# Altium PCB HVAC_Segmented_LCD.PcbDoc (continued)
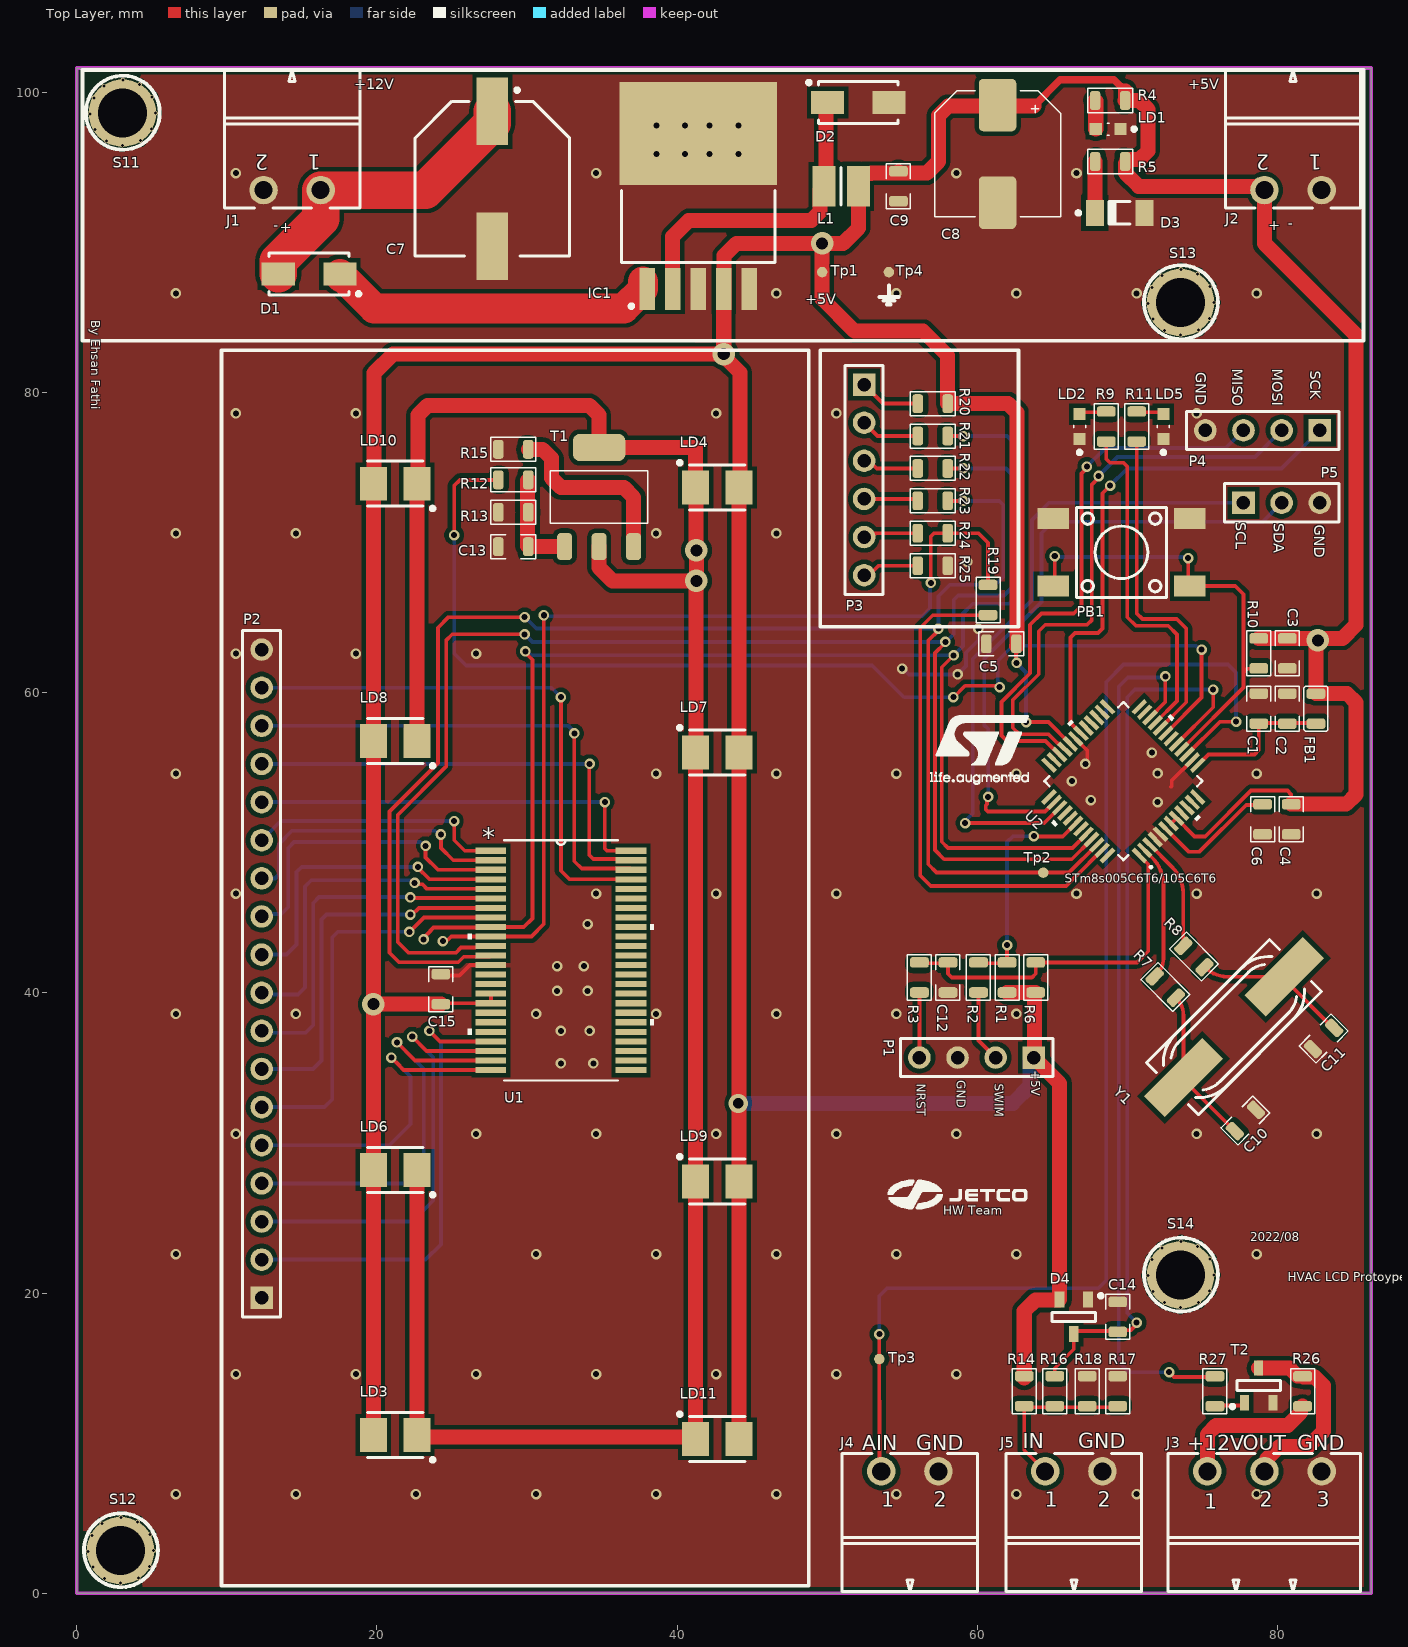
[diagram p0: Top Layer view]
## Footprints (in the part's own frame and the unit in brackets; to place one, negate y for a bottom-side part, rotate by r counter-clockwise, add the part's x,y. Pads: shape width x height; smd on the part's side, far side on the other; paste and mask are expansions set on the pad) (continued)
  silkscreen extent -5.43,-5.35 5.35,5.35, body extent -4.5,-4.5 4.5,4.5, height 1.6
PB_TYCO_FSM2JSMA [mm] "Body 6mm x 6mm, Surface Mount Tactile Switches, TYCO FSMJSMA Series"
  rect 1.4x2.1 smd: 1(-2.25,4.55) 2(-2.25,-4.55) 3(2.25,4.55) 4(2.25,-4.55)
  silkscreen extent -3,-3 3,3, body extent -3,-5 3,5, height 4.39
PCBComponent_1 [mm]
  round 4.5 / inner round 0.762 / far side round 0.762 hole 3.25: 0(2.159,0.051)
  silkscreen extent -0.28,-2.39 4.65,2.54
PHOENIX_1803277 [mm] "PHOENIX MC Serie, Pitch 3.81mm, 8A, 160V, 2 Positions Right Angled Header"
  round 1.9 hole 1.2: 1(-1.905,0) 2(1.905,0)
  silkscreen extent -4.51,-8 4.51,1.2, body extent -4.51,-8 4.5,1.3, height 7.25
PHOENIX_1803280 [mm] "PHOENIX MC Serie, Pitch 3.81mm, 8A, 160V, 3 Positions Right Angled Header"
  round 1.9 hole 1.2: 1(-3.81,0) 2(0,0) 3(3.81,0)
  silkscreen extent -6.41,-8 6.41,1.2, body extent -6.41,-8 6.41,1.3, height 7.25
"R 0805(2012)" [mm]
  rrect50% 0.7x1.25 smd: 1(-1,0) 2(1,0)
  silkscreen extent -1.5,-0.8 1.5,0.8, body extent -1,-0.62 1,0.63, height 0.6
SOT95P230X110-3N [mm] "SOT23, 3 pin, Pitch 0.95mm - 1.3mm W X 2.9mm L X 1.1mm H, IPC Medium Density"
  rect 1x0.6 smd: 1(-1.15,0.95) 2(-1.15,-0.95) 3(1.15,0)
  silkscreen extent -1.52,-1.45 0.33,1.87, body extent -1.08,-1.5 1.25,1.5, height 1.1
SOT95P240X110-3N [mm] "SOT23 3-Leads, Pitch 0.95mm, Body 1.3x2.9mm, IPC Medium Density"
  rect 1.05x0.65 smd: 1(-1.15,0.95) 2(-1.15,-0.95) 3(1.15,0)
  silkscreen extent -1.52,-1.45 0.3,1.92, body extent -1.25,-1.5 1.25,1.5, height 1.1
SOT223 [mm] "SOT-223/SC-73; 4 Leads; Body 6.7 x 7.3 mm, inc. leads (LxW max)"
  rrect50% 1x1.8 smd: 1(-2.3,-3.3) 2(0,-3.3) 3(2.3,-3.3)
  rrect50% 3.5x1.8 smd: 2(0,3.3)
  silkscreen extent -3.25,-1.75 3.25,1.75, body extent -3.25,-3.5 3.25,3.5, height 1.7
TO170P1435X465-6N-R1041X635 [mm] "TO-263, 5 Leads, 1.70mm pitch; TO, 14.35mm L X 8.64mm W X 4.65mm H body IPC Medium Density"
  rect 2.8x1.05 smd: 1(-6.2,3.4) 2(-6.2,1.7) 3(-6.2,0) 4(-6.2,-1.7) 5(-6.2,-3.4)
  rect 6.85x10.5 smd: 6(4.15,0)
  silkscreen extent -7.47,-5.1 0.35,5.1, body extent -7.11,-5.2 7.24,5.21, height 4.64
Tp-0.7 [mm]
  round 0.7 smd paste-0.2: 1(0,0)
XTAL1160X490X430 [mm] "HC49/4H SMX Case, SMD Cristal, Body 11.6x4.9mm"
  rect 5.5x2 smd: 1(-4.75,0) 2(4.75,0)
  silkscreen extent -5.8,-2.45 5.8,2.45, body extent -7.15,-2.45 7.15,2.45, height 4.3

## Part data
C1 C3 C4 C5 C6 C10 C11 C12 C15: library part "C 0805    16V X7R - 0*", "SMD 0805     16V X7R 10%", Manufacturer=Samsung, Package=0805, Package-mm=2012, TempCo=X7R, Temperature Range="-55°C ~ +125°C", Tolerance %=±10%, ComponentLink1Description="Datasheet Link", ComponentLink1URL=https://store.comet.bg/download-file.php?id=11, Mount Type=SMT, Published=07.04.2019, Publisher=Hefest, RoHS=Y, Supplier 1=Comet, Technology="Ceramic  MLCC", Type=Capacitors, VDC=16V
C2 C9 C13 C14: library part "C 0805    50V X7R - 1u", "SMD 0805     50V X7R 10%", Manufacturer=Samsung, Package=0805, Package-mm=2012, Part Number=CL21B105KBFNNNE, Supplier Part Number 1="C0805 1.0uF 50V X7R SAMSUNG", TempCo=X7R, Temperature Range="-55°C ~ +125°C", Tolerance %=±10%, ComponentLink1Description="Datasheet Link", ComponentLink1URL=https://store.comet.bg/download-file.php?id=11, Mount Type=SMT, Price=0.17, Published=07.04.2019, Publisher=Hefest, RoHS=Y, Supplier 1=Comet, Technology="Ceramic  MLCC", Type=Capacitors, VDC=50V
C7: library part CAE1030-1020_220UF_50V_20%, "Polarised capacitor", Case=G, Manufacturer=PANASONIC, Manufacturer Part Number=EEEFK1H221P, Tolerance=±20%, Voltage=50V, Author="CERN DEM JLC", Component Type=Standard, ComponentHeight=10.2mm, CreateDate=10/3/2017, HelpURL=\\cern.ch\dfs\Applications\Altium\Datasheets\CAE_PANASONIC_FK.pdf, LatestRevisionDate=10/3/2017, Mounted=Yes, Part Description="Aluminum Electrolytic SMT Capacitor", Part Number=CAE1030-1020_220UF_50V_20%, Pin Count=2, Sense=No, SMD=Yes, Socket=No, Status="Not Recommended"
C8: library part "EL D   8mm h10.5mm", "SMD D   8mm h10.5mm", Manufacturer=Fujicon, Package="D8mm h10.5mm", Temperature Range="-40°C ~ +105°C", Tolerance %=±20%, ComponentLink1Description="Datasheet Link", ComponentLink1URL=https://store.comet.bg/download-file.php?id=10100, Load life="2000h @ +105°C", Mount Type=SMT, Published=07.04.2019, Publisher=Hefest, RoHS=Y, Supplier 1=Comet, Technology="Electrolytic Aluminum", Type=Capacitors
D1 D2: "Transient Voltage Suppressor Diode (Uni-Directional)", Case=DO-214AC, Manufacturer="VISHAY GENERAL SEMICONDUCTOR", Power=20.1A, Voltage=12V, Author="CERN DEM JLC", Bonding=No, Component Type=Standard, ComponentHeight=2.29mm, CreateDate=11/17/2008, Device=SMAJ12A, HelpURL=\\cern.ch\dfs\Applications\Altium\Datasheets\SMAJ12A.pdf, LatestRevisionDate=11/17/2008, Manufacturer Part Number=SMAJ12A, Mounted=Yes, PackageDescription="DO-214-AC Molded Diode, 2-Leads, Body 5.1x2.7mm, IPC Medium Density", Part Description="Surface Mount TRANSZORB® Uni-directional Transient Voltage Suppressors", Part Number=SMAJ12A, Pin Count=2, PressFit=No, Sense=No, SMD=Yes, Socket=No
D3: library part BAS86-M, "Zener 5.6V minimelf", Case=SOD-80, Manufacturer="VISHAY SEMICONDUCTORS", Power=200mA, Voltage=50V, Author="CERN DEM JLC", Bonding=No, Component Type=Standard, ComponentHeight=1.6mm, CreateDate=7/17/2017, Device=BAS86-M, HelpURL=\\cern.ch\dfs\Applications\Altium\Datasheets\BAS86-M.pdf, LatestRevisionDate=7/17/2017, Manufacturer Part Number=BAS86-M, Mounted=Yes, PackageDescription="SOD-80, MELF Diode, 2-Leads, Body 3.5x1.5mm, IPC Medium Density", Part Description="Small Signal Schottky Diode", Part Number=BAS86-M, Pin Count=2, PressFit=No, Sense=No, SMD=Yes, Socket=No
D4: "Serial Diode", Case=SOT23-3, Manufacturer="DIODES INCORPORATED", Power=200mA, Voltage=40V, Author="CERN DEM JLC", Bonding=No, Component Type=Standard, ComponentHeight=1.1mm, CreateDate=7/7/2014, Device=BAS40-04-7-F, HelpURL=\\cern.ch\dfs\Applications\Altium\Datasheets\BAS40-04-7-F.pdf, LatestRevisionDate=7/7/2014, Manufacturer Part Number=BAS40-04-7-F, Mounted=Yes, PackageDescription="SOT, 0.95mm Pitch; 3 Pin, 1.30mm W X 2.90mm L X 1.10mm H, IPC Medium Density", Part Description="Dual Series Surface Mount Schottky Barrier Diodes", Part Number=BAS40-04-7-F, Pin Count=3, PressFit=No, Sense=No, SMD=Yes, Socket=No
FB1: library part "FB BLM21P 330", "SMD 0805 1.5A 330Ω/90mΩ", DC Resistance=90mΩ, Manufacturer=Murata, Package=0805, Package-mm=2012, Part Number=BLM21PG331SN1D, Temperature Range="-55°C ~ +125°C", Tolerance %=±20%, ComponentLink1Description="Datasheet Link", ComponentLink1URL=https://store.comet.bg/download-file.php?id=1453, Imax=1.5A, Ind=0.525uH, Material=Ferrite, Mount Type=SMT, Price=0.032, Published=07.04.2019, Publisher=Hefest, RoHS=Y, Supplier 1=Comet, Supplier Part Number 1=BLM21PG331SN1D, Technology=Chip, Type="Ferrite Bead", ZTyp@100MHz=120Ω
IC1: "SIMPLE SWITCHER® Power Converter 150kHz, 3A Step-Down Voltage Regulator", Case=TO-263, Manufacturer="TEXAS INSTRUMENTS", Author="CERN DEM JLC", Bonding=No, Component Type=Standard, ComponentHeight=4.65mm, CreateDate=12/19/2018, Device=LM2596S-5.0/NOPB, HelpURL=\\cern.ch\dfs\Applications\Altium\Datasheets\LM2596S-5.0-NOPB.pdf, LatestRevisionDate=12/19/2018, Manufacturer Part Number=LM2596S-5.0/NOPB, Mounted=Yes, PackageDescription="TO-263, 5 Leads, 1.70mm pitch; TO, 14.35mm L X 8.64mm W X 4.65mm H body IPC Medium Density", Part Description="4.5V to 40V Input to 5V Output, SIMPLE SWITCHER® Power Converter 150kHz, 3A Step-Down Voltage Regulator", Part Number=LM2596S-5.0/NOPB, Pin Count=6, PressFit=No, Sense=No, SMD=Yes, Socket=No
J1 J2 J4 J5: library part PHOENIX_1803277, "Connector 2 Male", Manufacturer="PHOENIX CONTACT", Manufacturer Part Number="1803277 (MC 1,5/ 2-G-3,81)", Author="CERN DEM JLC", Component Type=Standard, ComponentHeight=7.25mm, CreateDate=5/6/2014, HelpURL=\\cern.ch\dfs\Applications\Altium\Datasheets\PHOENIX_1803277.pdf, LatestRevisionDate=5/6/2014, Mounted=Yes, Part Description="8A 160 V, Pitch: 3.81mm, 2 Positions  Right Angled Header", Part Number=PHOENIX_1803277, Pin Count=2, PressFit=No, Sense=No, SMD=No, Socket=No, Status=None
J3: library part PHOENIX_1803280, "Connector 3 Male", Manufacturer="PHOENIX CONTACT", Manufacturer Part Number="1803277 (MC 1,5/ 3-G-3,81)", Author="CERN DEM BC", Component Type=Standard, ComponentHeight=7.25mm, CreateDate=9/23/2019, HelpURL=\\cern.ch\dfs\Applications\Altium\Datasheets\PHOENIX_1803280.pdf, LatestRevisionDate=9/23/2019, Mounted=Yes, Part Description="8A 160 V, Pitch: 3.81mm, 3 Positions  Right Angled Header", Part Number=PHOENIX_1803280, Pin Count=3, PressFit=No, Sense=No, SMD=No, Socket=No, Status=None
L1: library part IND_220UH_10%_MURATA-PS_8200, "Inductor With Core", Manufacturer="MURATA POWER SOLUTIONS", Manufacturer Part Number=82224C, Power=100mA, Resistance=8R, Tolerance=±10%, Author="CERN DEM JMW", Component Type=Standard, ComponentHeight=2.3mm, CreateDate=10/7/2015, HelpURL=\\cern.ch\dfs\Applications\Altium\Datasheets\IND_MURATA-PS_8200.pdf, LatestRevisionDate=10/7/2015, Mounted=Yes, Part Description="Miniature Surface Mount Power Inductor (8200 Series)", Part Number=IND_220UH_10%_MURATA-PS_8200, Pin Count=2, Sense=No, SMD=Yes, Socket=No, Status=None
LD1 LD2 LD5: library part LED_ROHM_SML-D12U8WT86, "LED Red 1C 2A", Manufacturer=ROHM, Manufacturer Part Number=SML-D12U8WT86, Author="CERN DEM JLC", Bonding=No, Color=Red, Component Type=Standard, ComponentHeight=0.55mm, CreateDate=10/23/2017, HelpURL=\\cern.ch\dfs\Applications\Altium\Datasheets\LED_ROHM_SML-D12U8WT86.pdf, LatestRevisionDate=10/23/2017, Mounted=Yes, PackageDescription="Red Chip LED, 2-Leads, Body 1.6x0.8mm (0603), SML-D12x8 Series", Part Description="High Brightness and High Reliability Chip 0603(1608mm) Red LED SML-D12x8 Series", Part Number=LED_ROHM_SML-D12U8WT86, Pin Count=2, PressFit=No, Sense=No, SMD=Yes, Socket=No
LD3 LD4 LD6 LD7 LD8 LD9 LD10 LD11: library part LED_OSRAM_LYT676-R1S2-26, "LED Yellow 1C 2A", Manufacturer=OSRAM, Manufacturer Part Number="LY T676-R1S2-26", Author="CERN DEM JLC", Bonding=No, Color=Yellow, Component Type=Standard, ComponentHeight=1.2mm, CreateDate=5/14/2008, HelpURL=\\cern.ch\dfs\Applications\Altium\Datasheets\LED_OSRAM_LYT676-R1S2-26.pdf, LatestRevisionDate=3/17/2010, Mounted=Yes, PackageDescription="Molded LED, 2-Leads, Body 3.5x2.8mm, IPC Medium Density PCB Edge Mounting", Part Description="Hyper TOPLED® SMD Yellow LED", Part Number=LED_OSRAM_LYT676-R1S2-26, Pin Count=2, PressFit=No, Sense=No, SMD=Yes, Socket=No
P1 P4: "Header, 4-Pin", LatestRevisionDate=17-Jul-2002, LatestRevisionNote="Re-released for DXP Platform.", Publisher="Altium Limited"
P2: "Header, 18-Pin", LatestRevisionDate=17-Jul-2002, LatestRevisionNote="Re-released for DXP Platform.", Publisher="Altium Limited"
P3: "Header, 6-Pin", LatestRevisionDate=17-Jul-2002, LatestRevisionNote="Re-released for DXP Platform.", Publisher="Altium Limited"
P5: "Header, 3-Pin", LatestRevisionDate=17-Jul-2002, LatestRevisionNote="Re-released for DXP Platform.", Publisher="Altium Limited"
PB1: library part PB_TYCO_FSM2JSMA, "Push-Button Switch SPDT", Manufacturer="TYCO ELECTRONICS", Manufacturer Part Number="FSM2JSMA or  2-1437565-7", Author="CERN DEM JLC", Component Type=Standard, ComponentHeight=4.59mm, CreateDate=9/8/2008, Family="Push Button", HelpURL=\\cern.ch\dfs\Applications\Altium\Datasheets\PB_TYCO_FSM2JSMA.pdf, LatestRevisionDate=6/21/2012, Mounted=Yes, PackageDescription="Body 6mm x 6mm, Surface Mount Tactile Switches, TYCO ALCOSWITCH FSMJSMA Series", Part Description="12VDC 50mA SPST Tactile  Push-Button Switch", Part Number=PB_TYCO_FSM2JSMA, Pin Count=4, PressFit=No, Sense=No, SMD=Yes, Socket=No, Status=None
R1 R2 R3 R4 R5 R6 R7 R8 R9 R10 R11 R12 R13 R14 R15 R16 R17 R18 R19 R20 R21 R22 R23 R24 R25 R26 R27: library part "R 0805-5%", "SMD 0805 0.125W 5% 150V", Manufacturer=YAGEO, Package=0805, Package-mm=2012, Power=0.125W, Supplier Part Number 1="R0805 1.0K 5% YAG", TempCo=±100ppm/°C, Temperature Range="-55°C ~ +155°C", Tolerance %=±5%, Value Code=102, ComponentLink1Description="Datasheet Link", ComponentLink1URL=https://store.comet.bg/download-file.php?id=140, Mount Type=SMT, Price=0.029, Published=07.04.2019, Publisher=Hefest, RoHS=Y, Supplier 1=Comet, Technology="Thick film", Type=Resistor, VDC=150V
S11 S12 S13 S14: library part Screw
T1: "SOT89    80V 1A 180MHz   6pF", Manufacturer=ROHm, Package=SOT223, Part Number=BCP5610TA, Power=0.5W, Complementary=BCP53-10, ComponentLink1Description="Datasheet Link", ComponentLink1URL=https://store.comet.bg/download-file.php?id=15852, Ft=180MHz, h21e=63-160, Ic=1A, Mount Type=SMT, Price=0.20, Published=28.09.2019, Publisher=Hefest, RoHS=Y, Supplier 1=Comet, Supplier Part Number 1=BCP56-10, Technology=npn, Type=Transistors, Vce=80V
T2: "NPN Transistor", Case=SOT23-3, Manufacturer="NXP SEMICONDUCTORS", Author="CERN DEM JLC", Bonding=No, Component Type=Standard, ComponentHeight=1.1mm, CreateDate=5/12/2011, Device=BC817, HelpURL=\\cern.ch\dfs\Applications\Altium\Datasheets\BC817.pdf, LatestRevisionDate=5/12/2011, Manufacturer Part Number=BC817, Mounted=Yes, PackageDescription="SOT23, 3 pin, Pitch 0.95mm - 1.3mm W X 2.9mm L X 1.1mm H, IPC Medium Density", Part Description="45V 500mA NPN General-Purpose Transistor", Part Number=BC817, Pin Count=3, PressFit=No, Sense=No, SMD=Yes, Socket=No
Tp1 Tp2 Tp3 Tp4: "TestPoint", Mount Type=SMT, Package=TestPoint, Published=07.04.2019, Publisher=Hefest, Technology=PCB, Type=TestPoint
U1: library part DAC7634E, "No Description Available", Mfr_Name="Texas Instruments", Copyright="Copyright (C) 2022 Ultra Librarian. All rights reserved.", Manufacturer_Part_Number=DAC7634E, RefDes=RefDes, Type=DEV
U2: "No Description Available", Mfr_Name=STMicroelectronics, Copyright="Copyright (C) 2022 Ultra Librarian. All rights reserved.", Manufacturer_Part_Number=STM8S005C6T6, RefDes=RefDes, Type=Type
Y1: library part XTAL_10MHZ_IQD_LFXTAL003166, "Quartz Crystal", Manufacturer="IQD FREQUENCY PRODUCTS", Manufacturer Part Number="LF XTAL003166", Author="CERN DEM JLC", Bonding=No, Component Type=Standard, ComponentHeight=4.3mm, CreateDate=4/19/2012, HelpURL=\\cern.ch\dfs\Applications\Altium\Datasheets\XTAL_IQD_LFXTAL003166.pdf, LatestRevisionDate=11/7/2016, Mounted=Yes, PackageDescription="HC49/4H SMX Case, SMD Cristal, Body 11.6x4.9mm", Part Description="Tolerance:± 30ppm, Stability:± 50ppm, -10°C to +60°C, 16pF, Surface Mount Quartz Crystal, HC49/4HSMX Series", Part Number=XTAL_10MHZ_IQD_LFXTAL003166, Pin Count=2, PressFit=No, Sense=No, SMD=Yes, Socket=No

## Via types
v1: diameter 0.7, hole 0.4, Top Layer to Bottom Layer, tented both sides, 151 vias
v2: diameter 0.3, hole 0.2, Top Layer to Bottom Layer, tented both sides, 48 vias
v3: diameter 1.5, hole 0.8, Top Layer to Bottom Layer, tented both sides, 6 vias
v4: diameter 1.27, hole 0.711, Top Layer to Bottom Layer, tented both sides, 1 vias

## Nets (pads, with @x,y where several pads share a name; then routed paths per layer and width w, separated by ;. In a path a pad name is that pad's centre, name@x,y a point inside that pad or via, vN(x,y) a via of type N, cw(c..) or ccw(c..) an arc to the next point about the centre after c; other vN are vias at no path point)
+5V: C3.2 C4.2 C5.2 C8.1 C9.1 C15.2 D4.2 FB1.1 IC1.4 J2.2 L1.2 LD3.2 LD4.2 LD6.2 LD7.2 LD8.2 LD9.2 LD10.2 LD11.2 P1.1 R1.2 R4.2 R5.2 R6.2 R10.2 R14.2 R20.2 Tp1.1 U1.16 U1.17 U2.7 U2.8 U2.32 | length 399.9
  Top Layer w0.254: C15.2 24.314,39.3 27.584,39.3 U1.17 U1.16 ; C5.2 62.578,63.229 62.578,62.009 v1(62.611,61.976) ; v1(63.246,58.039) 64.725,58.039 U2.32 ; U2.7 U2.8 74.463,50.423 75.18,50.423 78.225,53.467 80.645,53.467 80.899,53.213 C4.2
  Top Layer w0.5: 63.754,99.06 65.532,100.838 69.088,100.838 69.85,100.076
  Top Layer w1: LD3.2 LD6.2 v3(19.759,39.243) ; C15.2 v3(19.759,39.243) ; LD11.2 LD9.2 LD7.2 LD4.2 44.196,73.734 44.196,81.308 43.102,82.402 v3(43.102,82.538) ; C9.1@54.737,94.599 52.945,94.599 52.922,94.576 52.332,94.576 52.072,94.316 L1.2 52.072,90.934 51.054,89.916 v3(49.657,89.916) ; C9.1 54.848,94.615 56.642,94.615 57.404,95.377 57.404,98.425 58.039,99.06 63.754,99.06 ; R1.2 R6.2 63.817,39.957 63.817,35.75 P1.1 65.471,33.97 D4.2 65.446,19.54 63.863,19.54 63.119,18.796 R14.2 R14.2@63.119,14.335 ; C5.2@62.611,63.103 62.627,63.119 62.627,78.662 62.041,79.248 R20.2 58.023,82.439 56.388,84.074 51.816,84.074 49.657,86.233 Tp1.1 v3(49.657,89.916) ; R5.2@69.85,95.252 69.85,94.615 70.739,93.726 78.623,93.726 78.877,93.472 J2.2 79.121,89.916 85.217,83.82 85.217,64.516 84.312,63.611 C3.2 R10.2 ; 69.85,100.076 69.85,99.457 R4.2 70.788,99.441 71.374,98.855 71.374,96.088 70.788,95.502 R5.2@69.959,95.502 ; C4.2 84.566,52.562 85.217,53.213 85.217,59.342 84.631,59.928 FB1.1 v3@82.55,63.476 ; v3(19.759,39.243) LD8.2 LD10.2 19.812,73.967 19.812,81.28 21.082,82.55 41.148,82.55 41.154,82.544 43.096,82.544 v3(43.102,82.538) ; v3(43.102,82.538) IC1.4 43.127,86.916 43.127,89.101 43.942,89.916 v3(49.657,89.916)
  Bottom Layer w0.254: v1(62.611,61.976) 63.246,61.341 v1(63.246,58.039)
  Bottom Layer w1: v4(44.069,32.639) 62.357,32.639 63.504,33.786 63.504,35.437 P1.1
  other v3: 82.677,63.476
+12: C7.1 D1.2 J1.1 | length 20.8
  Top Layer w2.5: D1.2 13.426,88.737 16.256,91.567 J1.1 23.224,93.472 27.686,97.934 C7.1
COM0: P2.2 U1.21 | length 31.3
  Top Layer w0.254: v1(23.495,37.465) 24.194,36.767 U1.21
  Bottom Layer w0.254: P2.2 23.241,22.225 24.257,23.241 24.257,36.703 v1(23.495,37.465)
COM1: P2.3 U1.22 | length 29.1
  Top Layer w0.254: v1(22.352,37.084) 23.304,36.131 U1.22
  Bottom Layer w0.254: P2.3 22.352,24.765 23.749,26.162 23.749,35.687 v1(22.352,37.084)
COM2: P2.4 U1.23 | length 27
  Top Layer w0.254: v1(21.336,36.703) 22.543,35.496 U1.23
  Bottom Layer w0.254: P2.4 21.971,27.305 23.114,28.448 23.114,34.925 v1(21.336,36.703)
COM3: P2.5 U1.24 | length 22.4
  Top Layer w0.254: v1(20.955,35.687) 21.492,35.15 21.492,35.143 21.774,34.861 U1.24
  Bottom Layer w0.254: P2.5 20.828,29.845 22.225,31.242 22.225,34.417 v1(20.955,35.687)
DIN_External: J5.1 R14.1 R16.1 R17.2 R18.2 | length 11.1
  Top Layer w0.25: J5.1 63.119,9.525 63.119,12.335 63.169,12.385 65.101,12.385 65.151,12.335 65.201,12.385 69.292,12.385 R17.2@69.342,12.335
GND: C1.2 C2.2 C3.1 C4.1 C5.1 C6.1 C7.2 C8.2 C9.2 C10.1 C11.1 C12.2 C13.2 C14.2 C15.1 D2.2 D3.2 D4.1 IC1.3 IC1.5 IC1.6 J1.2 J2.1 J3.3 J4.2 J5.2 LD1.1 LD2.1 LD5.1 P1.3 P2.1 P2.18 P4.4 P5.3 PB1.1 PB1.2 R13.2 R15.2 R17.1 R18.1 R25.2 T2.2 Tp4.1 U1.13 U2.4 U2.5 U2.14 U2.31 | length 15.2
  Top Layer w0.254: C15.1 24.352,41.148 25.489,41.148 26.187,41.846 U1.13 ; U2.31 67.31,56.161 v1@67.31,55.499 ; 72.898,53.721 72.945,53.768 72.945,54.142 U2.14
  Bottom Layer w0.254: v1(54.991,61.595) 55.058,61.595 55.439,61.214 v1(58.674,61.214) 59.236,61.776 59.236,62.658 60.066,63.488 v1(60.066,64.239)
  other v1: 6.6,6.6 14.6,6.6 22.6,6.6 30.6,6.6 38.6,6.6 46.6,6.6 54.6,6.6 62.6,6.6 70.6,6.6 78.6,6.6 10.6,14.6 18.6,14.6 26.6,14.6 34.6,14.6 42.6,14.6 50.6,14.6 58.6,14.6 6.6,22.6 30.6,22.6 38.6,22.6 46.6,22.6 54.6,22.6 62.6,22.6 78.6,22.6 10.6,30.6 26.6,30.6 34.6,30.6 42.6,30.6 50.6,30.6 58.6,30.6 74.6,30.6 82.6,30.6 32.258,35.306 34.417,35.306 32.258,37.465 34.163,37.465 6.6,38.6 14.6,38.6 30.6,38.6 38.6,38.6 46.6,38.6 54.6,38.6 62.6,38.6 32.004,40.132 34.036,40.132 32.004,41.783 33.782,41.783 34.036,44.577 10.6,46.6 34.6,46.6 42.6,46.6 50.6,46.6 66.6,46.6 74.6,46.6 82.6,46.6 72.009,52.705 67.564,52.832 66.294,54.102 6.6,54.6 38.6,54.6 46.6,54.6 54.6,54.6 62.6,54.6 72.009,54.61 78.6,54.6 67.183,55.245 71.628,56.007 10.6,62.6 18.6,62.6 26.6,62.6 59.309,68.707 6.6,70.6 14.6,70.6 38.6,70.6 46.6,70.6 10.6,78.6 18.6,78.6 42.6,78.6 50.6,78.6 74.6,78.6 6.6,86.6 46.6,86.6 54.6,86.6 62.6,86.6 70.6,86.6 78.6,86.6 10.6,94.6 34.6,94.6 58.6,94.6 66.6,94.6 38.608,95.885 40.513,95.885 42.164,95.885 44.069,95.885 38.608,97.79 40.513,97.79 42.164,97.79 44.069,97.79
I2C_SCL: P5.1 U2.39 | length 43.3
  Top Layer w0.254: v1(59.182,51.308) 64.454,51.308 U2.39
  Bottom Layer w0.254: v1(59.182,51.308) 59.182,51.426 59.69,51.934 59.69,62.23 63.627,66.167 63.627,71.501 64.77,72.644 P5.1
I2C_SDA: P5.2 U2.38 | length 41.9
  Top Layer w0.254: v1(60.721,53.057) 60.636,52.971 60.636,52.558 60.551,52.473 60.551,52.219 60.7,52.07 64.509,52.07 U2.38
  Bottom Layer w0.254: v1(60.721,53.057) 60.721,57.566 60.449,57.838 60.449,62.227 64.262,66.04 64.262,70.612 65.024,71.374 78.994,71.374 P5.2
MCU_AIN: J4.1 Tp3.1 U2.15 | length 83.9
  Top Layer w0.25: 53.467,12.827 Tp3.1 v1(53.467,17.272) ; U2.15 76.153,58.057 v1(77.228,58.057)
  Top Layer w0.254: 53.467,12.827 53.467,8.255 J4.1
  Bottom Layer w0.25: v1(53.467,17.272) 53.467,19.812 53.975,20.32 68.072,20.32 68.58,20.828 68.58,60.706 69.736,61.862 76.695,61.862 77.228,61.329 v1(77.228,58.057)
MCU_DIN: PB1.3 PB1.4 R10.1 U2.16 | length 29.9
  Top Layer w0.25: PB1.4 65.151,67.197 v1(65.151,69.088) ; U2.16 77.724,60.335 77.724,61.341 ; v1(74.041,68.961) 74.041,67.197 PB1.3 77.18,67.092 77.724,66.548 77.724,61.341 ; R10.1 78.724,61.595 77.978,61.595 77.724,61.341
  Bottom Layer w0.25: v1(65.151,69.088) 65.215,69.025 73.977,69.025 v1(74.041,68.961)
MCU_DIN_External: C14.1 D4.3 R16.2 U2.17 | length 60.6
  Top Layer w0.25: R16.2@65.151,14.335 R16.2 65.151,14.986 66.421,16.256 D4.3 ; D4.3@66.367,17.211 D4.3 ; v1(70.612,18.034) 70.612,17.912 70.231,17.531 70.231,17.526 69.453,17.526 C14.1 69.292,17.465 66.621,17.465 D4.3 ; U2.17 75.705,59.023 v1(75.705,60.198)
  Bottom Layer w0.25: v1(70.612,18.034) 69.977,18.669 69.977,59.69 70.485,60.198 v1(75.705,60.198)
MCU_LCD_Backlight: R12.2 U2.19 | length 74.6
  Top Layer w0.25: v1@58.42,59.69 59.182,60.452 61.397,60.452 v1(61.483,60.366) ; U2.19 74.93,59.663 v1(74.93,62.865)
  Top Layer w0.254: v1(25.146,70.485) 25.146,73.787 25.527,74.168 R12.2
  Bottom Layer w0.25: v1(25.146,70.485) 25.146,62.611 25.948,61.809 52.999,61.809 55.118,59.69 v1(58.405,59.69) ; v1(61.483,60.366) 61.397,60.453 61.397,60.702 61.361,60.738 61.361,62.123 62.357,63.119 74.559,63.119 74.813,62.865 v1(74.93,62.865)
MCU_LCD_CS: R21.2 U1.9 U2.44 | length 99.6
  Top Layer w0.254: v1(23.114,43.561) 23.114,43.682 23.559,44.126 23.559,44.147 23.767,44.355 27.559,44.355 U1.9 29.781,44.386 30.353,44.958 30.353,62.184 29.887,62.65 v1(29.887,62.751) ; R21.2 v1(59.055,77.089) ; v1(58.42,62.484) 57.628,61.692 57.628,50.068 58.039,49.657 66.339,49.657 U2.44
  Bottom Layer w0.254: v1(29.887,62.751) 30.007,62.751 30.275,62.484 v1(58.42,62.484) 59.04,63.104 59.04,65.263 59.69,65.913 62.103,65.913 62.865,66.675 62.865,76.2 61.976,77.089 v1(59.055,77.089)
MCU_LCD_DATA: R23.2 Tp2.1 U1.12 U2.46 | length 108
  Top Layer w0.254: U1.12 27.515,42.405 25.783,42.405 25.414,42.037 21.463,42.037 20.828,42.672 20.828,52.07 24.057,55.299 24.057,64.316 24.765,65.024 v1(29.845,65.024) ; v1(57.404,64.262) 57.404,64.144 56.72,63.46 56.72,48.563 57.277,48.006 Tp2.1 66.102,48.006 U2.46 ; R23.2 v1(59.055,72.771)
  Bottom Layer w0.254: v1(29.845,65.024) 30.607,64.262 v1(57.404,64.262) 57.404,66.421 58.166,67.183 61.214,67.183 61.722,67.691 61.722,72.498 61.449,72.771 v1(59.055,72.771)
MCU_LCD_RD: R19.1 R24.2 U1.10 | length 65.6
  Top Layer w0.254: v1(24.384,43.449) 24.469,43.534 24.732,43.534 24.949,43.752 U1.10 30.29,43.752 31.115,44.577 v1(31.115,65.151) ; v1(56.896,67.31) 56.896,70.4 57.108,70.612 R24.2 60.071,70.612 60.706,69.977 R19.1 R19.1@60.656,67.117
  Bottom Layer w0.254: v1(31.115,65.151) 31.178,65.087 56.325,65.087 56.85,65.613 56.85,67.264 v1(56.896,67.31)
MCU_LCD_WR: R22.2 U1.11 U2.45 | length 106.4
  Top Layer w0.254: U1.11 27.515,43.04 26.575,43.04 26.547,43.012 25.606,43.012 25.266,42.672 22.098,42.672 21.382,43.388 21.382,51.841 24.611,55.07 24.611,63.473 25.019,63.881 v1(29.845,63.881) ; v1(57.862,63.373) 57.862,63.323 57.174,62.635 57.174,49.506 57.785,48.895 66.284,48.895 U2.45 ; R22.2 v1(59.055,74.93)
  Bottom Layer w0.254: v1(29.845,63.881) 30.353,63.373 57.894,63.373 58.402,63.881 58.42,63.881 58.42,66.167 58.72,66.467 61.768,66.467 62.311,67.01 62.311,74.522 61.903,74.93 v1(59.055,74.93)
MCU_LED_1: R9.2 U2.21 | length 23.1
  Top Layer w0.25: R9.2 68.58,75.565 68.834,75.311 69.723,75.311 69.977,75.057 69.977,65.024 70.556,64.445 72.715,64.445 73.292,63.868 73.292,59.439 U2.21
MCU_LED_2: R11.2 U2.20 | length 22.5
  Top Layer w0.254: R11.2 70.612,65.278 70.993,64.897 73.279,64.897 73.914,64.262 73.914,59.354 U2.20
MCU_Output_Ctrl: R27.2 U2.22 | length 58.1
  Top Layer w0.25: U2.22 72.517,59.371 v1(72.517,61.087) ; v1@72.857,14.818 v1(72.771,14.732) 73.091,14.412 75.388,14.412 R27.2@75.438,14.462
  Bottom Layer w0.25: v1(72.517,61.087) 72.431,61.001 70.018,61.001 69.419,60.402 69.419,15.417 70.104,14.732 v1(72.771,14.732)
MCU_SPI_MISO: P4.3 U2.34 | length 37.4
  Top Layer w0.254: U2.34 65.444,55.87 64.545,56.769 61.976,56.769 61.595,57.15 61.595,59.38 63.5,61.285 63.5,64.516 64.262,65.278 66.421,65.278 66.929,65.786 66.929,74.598 67.285,74.954 v1(67.285,75.052)
  Bottom Layer w0.254: v1(67.285,75.052) 68.526,76.293 76.547,76.293 P4.3
MCU_SPI_MOSI: P4.2 U2.33 | length 38.3
  Top Layer w0.254: U2.33 65.798,56.223 65.41,56.611 65.347,56.611 64.734,57.223 62.792,57.223 62.357,57.658 62.357,59.5 64.081,61.224 64.081,64.081 64.516,64.516 67.31,64.516 67.621,64.827 67.621,73.862 68.066,74.306 v1(68.066,74.427)
  Bottom Layer w0.254: v1(68.066,74.427) 69.331,75.692 78.486,75.692 P4.2
MCU_SPI_SCK: P4.1 U2.30 | length 34.3
  Top Layer w0.254: U2.30 66.203,57.975 66.203,63.663 66.502,63.962 68.026,63.962 68.326,64.262 68.326,73.279 v1(68.834,73.787)
  Bottom Layer w0.254: v1(68.834,73.787) 69.977,74.93 80.264,74.93 P4.1
NetC10_2: C10.2 R7.2 Y1.1 | length 10.4
  Top Layer w0.25: R7.2 cw(c72.002,38.457) 73.73,38.457 Y1.1 ccw(c74.111,34.36) 73.842,34.091 C10.2
NetC11_2: C11.2 R8.2 Y1.2 | length 10.5
  Top Layer w0.25: R8.2@75.272,41.568 R8.2 ccw(c76.658,43.239) 76.658,41.078 Y1.2 ccw(c80.851,41.078) 80.566,40.793 83.694,37.664 C11.2
NetC13_1: C13.1 R12.1 R13.1 T1.1 | length 6.9
  Top Layer w1: R12.1 30.033,74.118 30.033,72.059 R13.1 30.033,71.959 30.033,69.773 C13.1 C13.1 T1.1@32.498,69.724
NetD1_1: D1.1 IC1.1 | length 22.2
  Top Layer w2: D1.1 17.526,87.759 17.626,87.659 17.751,87.659 19.812,85.598 36.449,85.598 37.719,86.868 IC1.1@37.719,87.376
NetD2_1: D2.1 IC1.2 L1.1 | length 21.5
  Top Layer w1: IC1.2 39.702,90.375 40.767,91.44 48.936,91.44 49.522,92.026 49.522,93.466 L1.1 49.901,93.845 49.901,99.195 D2.1
NetD3_1: D3.1 R5.1 | length 2.8
  Top Layer w1: R5.1 67.834,93.252 67.846,93.24 67.846,92.683 D3.1@67.946,92.583
NetLD1_2: LD1.2 R4.1 | length 1.9
  Top Layer w1: R4.1 67.882,99.393 LD1.2
NetLD2_2: LD2.2 R9.1 | length 1.9
  Top Layer w0.25: LD2.2 66.927,78.674 68.53,78.674 R9.1
NetLD3_1: LD3.1 LD4.1 LD6.1 LD7.1 LD8.1 LD9.1 LD10.1 LD11.1 T1.2 | length 153.6
  Top Layer w1: LD6.1 LD3.1 22.786,10.414 41.095,10.414 LD11.1 LD9.1 LD7.1 41.249,56.033 41.249,67.411 v3(41.275,67.437) ; LD8.1 LD10.1 22.733,73.988 22.733,78.486 23.368,79.121 34.163,79.121 34.798,78.486 34.798,76.325 34.8,76.327 41.222,76.327 LD4.1 41.249,73.634 41.249,69.495 v3(41.275,69.469) v3(41.275,67.437) ; T1.2@34.798,69.725 34.798,68.326 35.687,67.437 v3(41.275,67.437)
NetLD5_2: LD5.2 R11.1 | length 1.9
  Top Layer w0.25: R11.1 70.662,78.674 72.265,78.674 LD5.2
NetP1_2: P1.2 R2.2 | length 4.8
  Top Layer w0.254: R2.2 60.071,36.83 P1.2
NetP1_4: P1.4 R3.2 | length 4.3
  Top Layer w0.254: P1.4 R3.2
NetP3_1: P3.1 R20.1 | length 4.1
  Top Layer w0.254: P3.1 53.721,79.248 R20.1
NetP3_2: P3.2 R21.1 | length 3.9
  Top Layer w0.254: P3.2 53.34,77.089 R21.1
NetP3_3: P3.3 R22.1 | length 3.8
  Top Layer w0.254: P3.3 52.788,75.438 53.296,74.93 R22.1
NetP3_4: P3.4 R23.1 | length 3.6
  Top Layer w0.254: P3.4 55.896,72.898 R23.1
NetP3_5: P3.5 R24.1 | length 3.7
  Top Layer w0.254: P3.5 52.689,70.596 53.207,70.596 53.223,70.612 R24.1
NetP3_6: P3.6 R25.1 | length 3.8
  Top Layer w0.254: P3.6 52.78,67.818 53.415,68.453 R25.1
NetR15_1: R15.1 T1.3 | length 12.4
  Top Layer w1: R15.1 31.037,76.2 31.623,75.614 31.623,74.295 32.258,73.66 36.449,73.66 37.098,73.011 T1.3
NetR19_2: R19.2 U2.47 | length 34.8
  Top Layer w0.254: R19.2 60.69,65.151 57.023,65.151 56.188,64.316 56.188,47.825 56.896,47.117 65.913,47.117 66.506,47.71 66.513,47.71 U2.47
NetR27_1: R27.1 T2.1 | length 2.1
  Top Layer w0.25: R27.1 75.869,12.512 77.615,12.512 77.79,12.687 T2.1
NRST: C12.1 R3.1 R6.1 U2.1 | length 24.1
  Top Layer w0.25: R3.1 56.134,42.037 56.2,41.971 57.989,41.971 C12.1 58.039,41.275 58.293,41.021 63.627,41.021 63.881,41.275 R6.1 70.629,42.021 71.374,42.766 71.374,48.562 U2.1 ; C12.1@58.343,42.098 C12.1@58.42,42.021
OSC_IN: R7.1 U2.2 | length 9
  Top Layer w0.25: U2.2 71.646,48.997 cw(c69.85,47.201) 72.39,47.201 72.39,42.291 cw(c70.899,42.291) 72.021,41.308 cw(c70.899,42.291) 71.954,41.237 R7.1
OSC_OUT: R8.1 U2.3 | length 7.5
  Top Layer w0.25: U2.3 72.971,48.379 cw(c71.175,46.583) 73.715,46.583 R8.1
SEG0: P2.6 U1.8 | length 26.8
  Top Layer w0.254: v1(22.159,44.062) 22.174,44.062 23.133,45.021 U1.8
  Bottom Layer w0.254: P2.6 16.51,32.385 17.018,32.893 17.018,43.688 17.392,44.062 v1(22.159,44.062)
SEG1: P2.7 U1.7 | length 25.2
  Top Layer w0.254: v1(22.225,45.212) 22.346,45.212 22.79,45.657 U1.7
  Bottom Layer w0.254: P2.7 15.748,34.925 16.313,35.49 16.313,44.888 16.637,45.212 v1(22.225,45.212)
SEG2: P2.8 U1.6 | length 23.9
  Top Layer w0.254: v1(22.219,46.362) 22.255,46.326 27.556,46.326 U1.6
  Bottom Layer w0.254: P2.8 12.446,37.338 15.24,37.338 15.759,37.857 15.759,45.985 16.147,46.373 22.208,46.373 v1(22.219,46.362)
SEG3: P2.9 U1.5 | length 22.7
  Top Layer w0.254: v1(22.507,47.32) 22.593,47.234 23.029,47.234 23.337,46.926 U1.5
  Bottom Layer w0.254: P2.9 12.446,39.878 14.732,39.878 15.205,40.351 15.205,47.082 15.621,47.498 22.208,47.498 22.387,47.32 v1(22.507,47.32)
SEG4: P2.10 U1.4 | length 20.9
  Top Layer w0.254: v1(22.733,48.387) 22.733,48.323 23.495,47.561 U1.4
  Bottom Layer w0.254: P2.10 13.97,42.545 14.651,43.226 14.651,48.052 14.986,48.387 v1(22.733,48.387)
SEG5: P2.11 U1.3 | length 20.8
  Top Layer w0.254: v1(23.241,49.784) 23.241,49.022 24.066,48.197 U1.3
  Bottom Layer w0.254: P2.11 12.484,45.25 13.627,45.25 14.097,45.72 14.097,49.657 14.478,50.038 22.869,50.038 23.123,49.784 v1(23.241,49.784)
SEG6: P2.12 U1.2 | length 19.1
  Top Layer w0.254: v1(24.257,50.546) 24.257,49.657 25.083,48.831 U1.2
  Bottom Layer w0.254: P2.12 13.208,47.625 13.462,47.879 13.462,49.884 ccw(c12.319,50.165) 13.47,49.919 14.351,50.8 23.885,50.8 24.139,50.546 v1(24.257,50.546)
SEG7: P2.13 U1.1 | length 17.4
  Top Layer w0.254: v1(25.146,51.435) 25.146,50.165 25.845,49.466 U1.1
  Bottom Layer w0.254: P2.13 13.589,51.435 v1(25.146,51.435)
SEG8: P2.14 U1.48 | length 27.8
  Top Layer w0.254: v1(35.179,52.705) 35.179,49.615 35.328,49.466 U1.48
  Bottom Layer w0.254: P2.14 v1(35.179,52.705)
SEG9: P2.15 U1.47 | length 30.8
  Top Layer w0.254: v1(34.163,55.245) 34.148,55.23 34.148,49.164 34.404,48.908 36.849,48.908 U1.47
  Bottom Layer w0.254: P2.15 v1(34.163,55.245)
SEG10: P2.16 U1.46 | length 33.6
  Top Layer w0.254: v1(33.147,57.277) 33.147,48.768 33.642,48.273 36.849,48.273 U1.46
  Bottom Layer w0.254: P2.16 32.766,57.785 33.147,57.404 v1(33.147,57.277)
SEG11: P2.17 U1.45 | length 36.7
  Top Layer w0.254: v1(32.258,59.69) 32.258,48.133 32.83,47.561 U1.45
  Bottom Layer w0.254: P2.17 31.623,60.325 v1(32.258,59.69)
Selenoid_Drive_Voltage(IN): J3.1 R26.1 | length 9.8
  Top Layer w1: J3.1 75.311,10.59 75.897,11.176 80.673,11.176 81.536,12.039 81.536,12.337 R26.1
Selenoid_Output_Trigger: J3.2 R26.2 T2.3 | length 13.4
  Top Layer w0.25: J3.2@78.994,8.255 J3.2 ; R26.2@81.336,14.462 R26.2 R26.2@81.711,14.412
  Top Layer w1: T2.3 80.805,14.993 R26.2@81.336,14.462 ; J3.2@78.994,8.255 79.005,8.255 79.293,8.544 79.293,8.966 80.106,9.779 82.042,9.779 83.058,10.795 83.058,13.826 82.472,14.412 R26.2@81.711,14.412
SWIM: R1.1 R2.1 U2.42 | length 15.1
  Top Layer w0.25: R2.1 60.121,41.971 61.926,41.971 R1.1 v1(61.976,43.18) ; v1(63.754,50.434) 63.769,50.419 65.686,50.419 U2.42
  Bottom Layer w0.25: v1(61.976,43.18) 61.976,50.038 62.372,50.434 v1(63.754,50.434)
VCAP: C6.2 U2.6 | length 8.4
  Top Layer w0.254: U2.6 74.068,49.403 74.803,49.403 77.912,52.512 C6.2@78.944,52.512
  Top Layer w0.3: C6.2@78.944,52.512 C6.2
VDDA: C1.1 C2.1 FB1.2 U2.13 | length 10.2
  Top Layer w0.25: U2.13 75.39,55.88 78.467,55.88 78.74,56.153 C1.1 78.74,57.978 80.595,57.978 C2.1 80.695,57.978 82.5,57.978 FB1.2
pads on no net: S11.0 S12.0 S13.0 S14.0 U1.14 U1.15 U1.18 U1.19 U1.20 U1.25 U1.26 U1.27 U1.28 U1.29 U1.30 U1.31 U1.32 U1.33 U1.34 U1.35 U1.36 U1.37 U1.38 U1.39 U1.40 U1.41 U1.42 U1.43 U1.44 U2.9 U2.10 U2.11 U2.12 U2.18 U2.23 U2.24 U2.25 U2.26 U2.27 U2.28 U2.29 U2.35 U2.36 U2.37 U2.40 U2.41 U2.43 U2.48
copper on no net:
  other v2: 2.921,0.686 1.854,0.991 4.115,1.016 1.092,1.753 4.851,1.778 0.762,2.794 5.131,2.845 1.016,3.861 4.877,3.912 1.676,4.648 4.064,4.75 2.946,5.055 73.533,19.05 72.466,19.355 74.727,19.38 71.704,20.117 75.463,20.142 71.374,21.158 75.743,21.209 71.628,22.225 75.489,22.276 72.288,23.012 74.676,23.114 73.558,23.419 73.533,83.82 72.466,84.125 74.727,84.15 71.704,84.887 75.463,84.912 71.374,85.928 75.743,85.979 71.628,86.995 75.489,87.046 72.288,87.782 74.676,87.884 73.558,88.189 3.048,96.444 1.981,96.749 4.242,96.774 1.219,97.511 4.978,97.536 0.889,98.552 5.258,98.603 1.143,99.619 5.004,99.67 1.803,100.406 4.191,100.508 3.073,100.813

## Polygon pours and split planes (outlines as drawn)
GND on Top Layer "GND_L01_P000" (solid, pour order 0): 85.725,101.6 85.725,0 0,0 0,101.6
GND on Bottom Layer "GND_L02_P001" (solid, remove dead copper, pour order 1): 85.725,101.6 85.725,0 0,0 0,101.6

## Keep-outs
Keep-Out Layer:
  the board outline again, w0.254

## Silkscreen, mask and mechanical layers (free items; w line width, h text height)
Top Overlay:
  drawing of 1799 lines, arcs and shapes, not listed
  text "+12V" at 18.492,100.203 h0.7
  text "+5V" at 74.054,100.203 h0.7
  text "-" at 80.658,90.932 h0.7
  text "-" at 13.088,90.805 h0.7
  text "+" at 79.388,90.805 h0.7
  text "+" at 13.527,90.678 h0.7
  text "+5V" at 48.527,85.852 h0.7
  text "By Ehsan Fathi" at 0.762,84.808 h1 r270
  text "MISO" at 76.962,81.585 h0.7 r270
  text "MOSI" at 79.629,81.585 h0.7 r270
  text "SCK" at 82.169,81.443 h0.7 r270
  text "GND" at 74.549,81.325 h0.7 r270
  text "SCL" at 77.216,71.346 h0.7 r270
  text "SDA" at 79.756,71.292 h0.7 r270
  text "GND" at 82.423,71.165 h0.7 r270
  text "STm8s005C6T6/105C6T6" at 65.814,47.117 h1
  text "+5V" at 63.373,34.858 h1 r270
  text "GND" at 58.42,34.183 h1 r270
  text "NRST" at 55.753,33.939 h1 r270
  text "SWIM" at 60.96,33.929 h1 r270
  text "HW Team" at 57.736,25.019 h1
  text "2022/08" at 78.176,23.241 h1
  text "HVAC LCD Protoype" at 80.686,20.574 h1
  text "IN" at 63.031,9.652 h1
  text "GND" at 66.714,9.652 h1
  text "AIN" at 52.319,9.525 h1
  text "GND" at 55.919,9.525 h1
  text "+12V" at 73.991,9.525 h1
  text "OUT" at 77.674,9.525 h1
  text "GND" at 81.319,9.525 h1

## Text inside footprints (layer, text, board x,y; h text height)
J1: Top Overlay "2" at 12.763,95.822 h1 r180; Top Overlay "1" at 16.273,95.822 h1 r180
J2: Top Overlay "2" at 79.438,95.822 h1 r180; Top Overlay "1" at 82.948,95.822 h1 r180
J3: Top Overlay "1" at 75.121,5.628 h1; Top Overlay "3" at 82.615,5.778 h1; Top Overlay "2" at 78.805,5.778 h1
J4: Top Overlay "1" at 53.578,5.778 h1; Top Overlay "2" at 57.088,5.778 h1
J5: Top Overlay "1" at 64.5,5.778 h1; Top Overlay "2" at 68.01,5.778 h1
U1: Top Overlay "*" at 27.019,49.746 h1.27; Mechanical 13 "*" at 27.019,49.746 h1.27